# KiCad board SparkFun_GNSS_mosaic-T_panelized.kicad_pcb (continued)
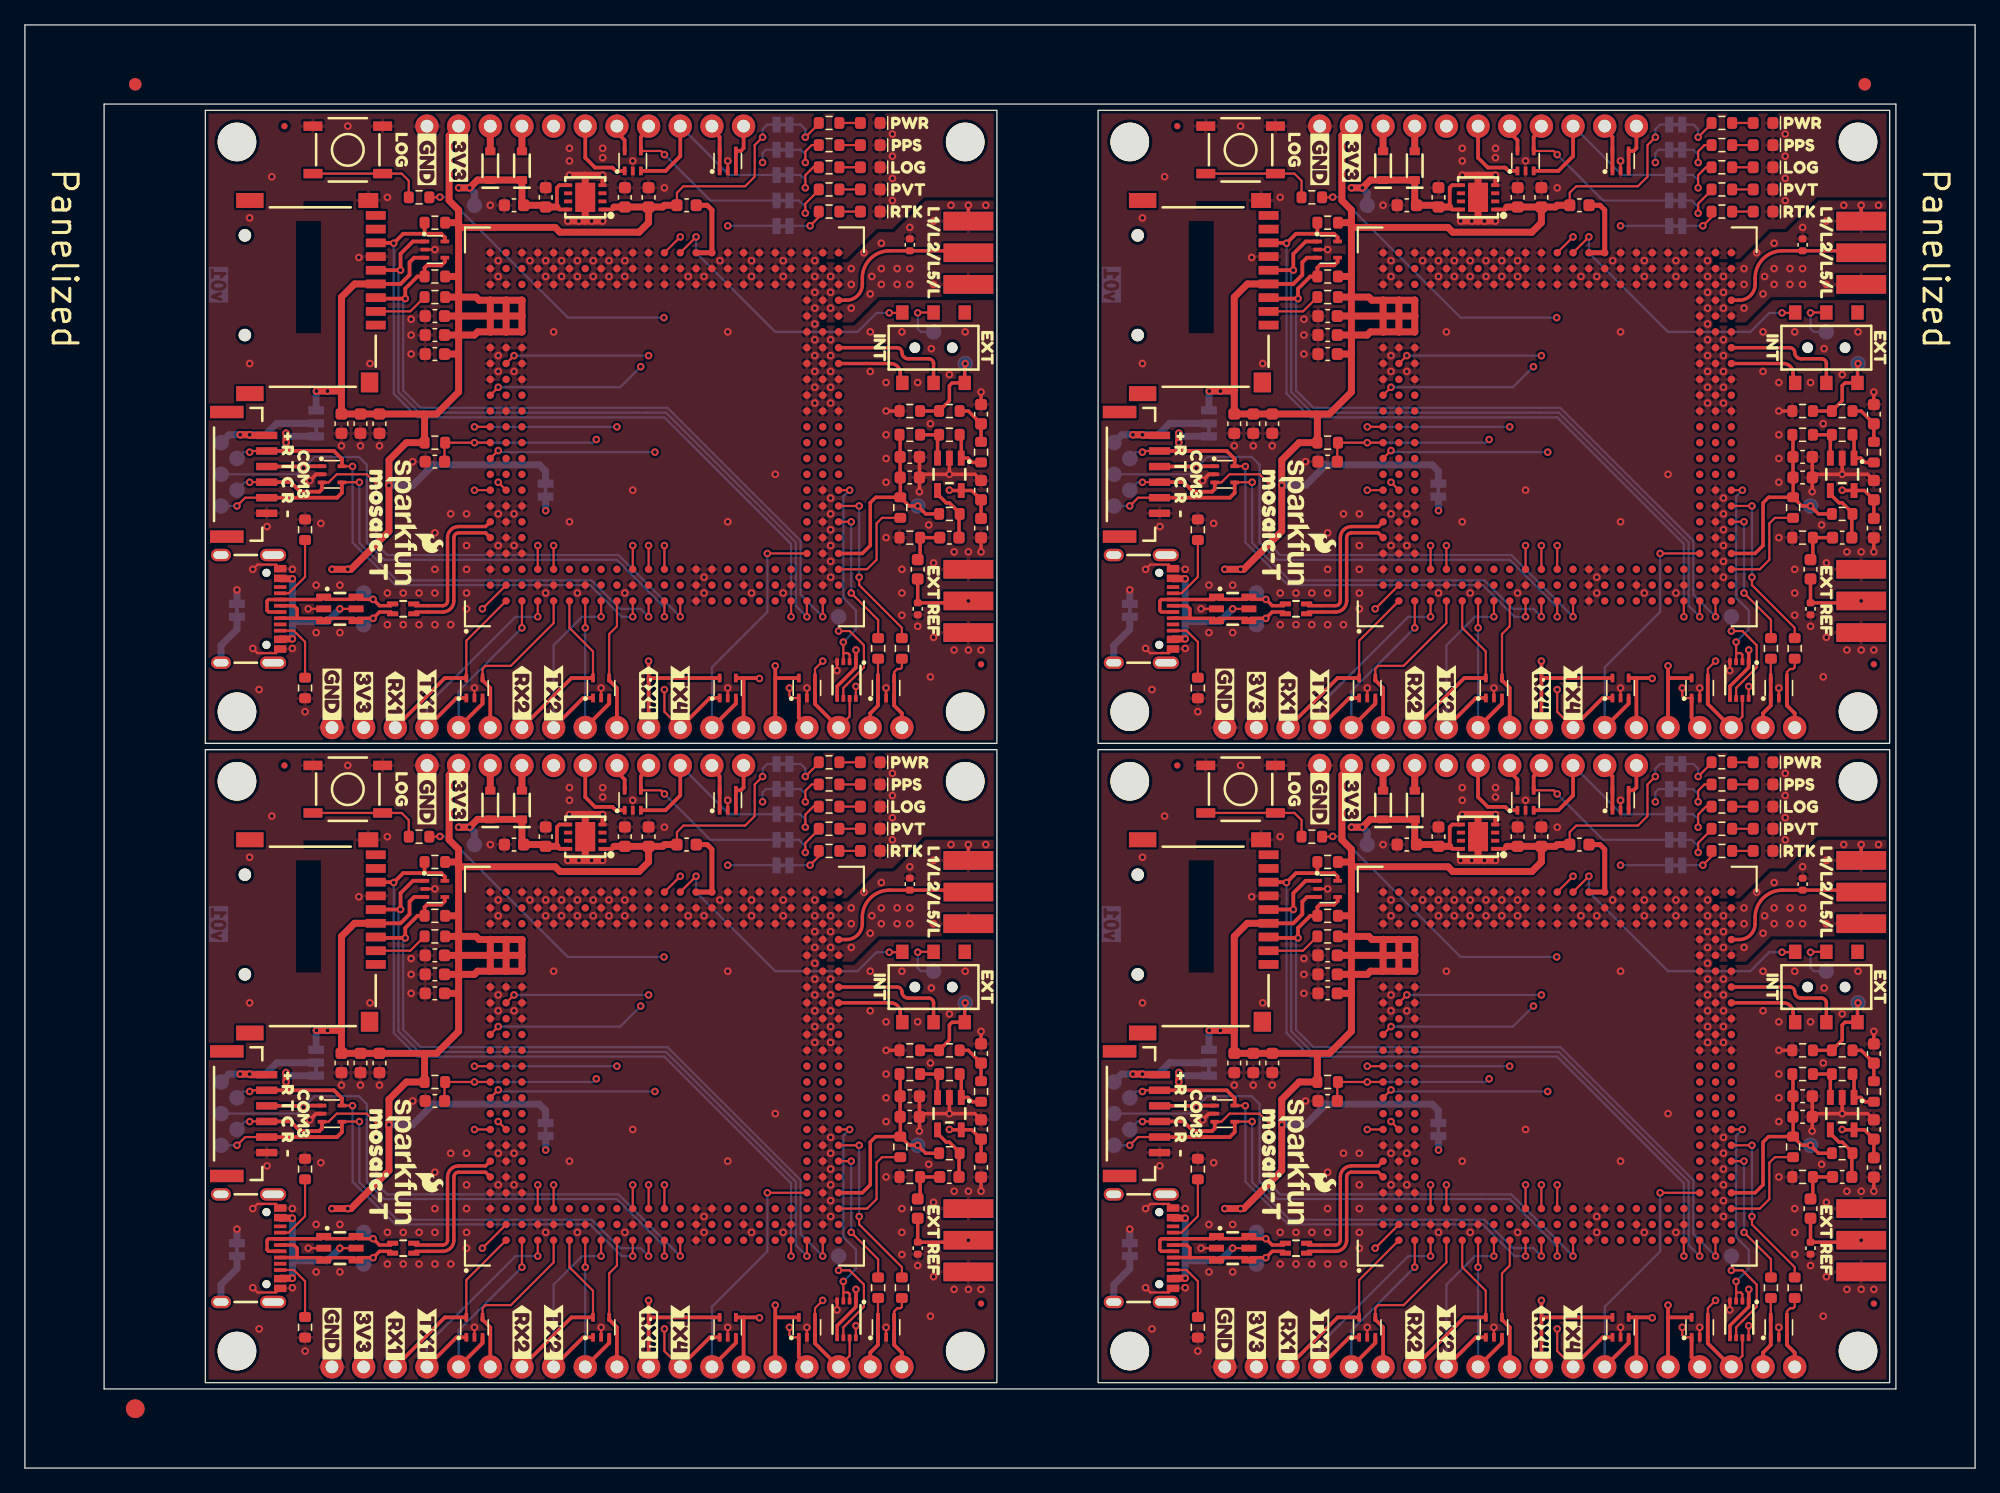
[diagram p0: board, top side]
## Nets (continued)
SD_CLK: D1.1 D1#2.1 D1#3.1 D1#4.1 J1.5 J1#2.5 J1#3.5 J1#4.5 U1.AA1 U1#2.AA1 U1#3.AA1 U1#4.AA1
SD_CMD: D1.4 D1#2.4 D1#3.4 D1#4.4 J1.3 J1#2.3 J1#3.3 J1#4.3 R2.1 R2#2.1 R2#3.1 R2#4.1 U1.AB1 U1#2.AB1 U1#3.AB1 U1#4.AB1
SD_DATA: D1.5 D1#2.5 D1#3.5 D1#4.5 J1.7 J1#2.7 J1#3.7 J1#4.7 R1.1 R1#2.1 R1#3.1 R1#4.1 U1.Y1 U1#2.Y1 U1#3.Y1 U1#4.Y1
TX1: D13.1 D13#2.1 D13#3.1 D13#4.1 J4.4 J4#2.4 J4#3.4 J4#4.4 U1.D1 U1#2.D1 U1#3.D1 U1#4.D1
TX2: D12.1 D12#2.1 D12#3.1 D12#4.1 J4.8 J4#2.8 J4#3.8 J4#4.8 U1.H1 U1#2.H1 U1#3.H1 U1#4.H1
TX3: D14.1 D14#2.1 D14#3.1 D14#4.1 J5.3 J5#2.3 J5#3.3 J5#4.3 TP6.1 TP6#2.1 TP6#3.1 TP6#4.1 U1.M1 U1#2.M1 U1#3.M1 U1#4.M1
TX4: D11.1 D11#2.1 D11#3.1 D11#4.1 J4.12 J4#2.12 J4#3.12 J4#4.12 U1.E3 U1#2.E3 U1#3.E3 U1#4.E3
VANT: L1.2 L1#2.2 L1#3.2 L1#4.2 U1.P23 U1.R23 U1#2.P23 U1#2.R23 U1#3.P23 U1#3.R23 U1#4.P23 U1#4.R23
VUSB: D17.5 D17#2.5 D17#3.5 D17#4.5 D18.2 D18#2.2 D18#3.2 D18#4.2 J3.4 J3#2.4 J3#3.4 J3#4.4 J7.VBUS J7#2.VBUS J7#3.VBUS J7#4.VBUS U1.A8 U1#2.A8 U1#3.A8 U1#4.A8
~{RESET}: C3.1 C3#2.1 C3#3.1 C3#4.1 D7.1 D7#2.1 D7#3.1 D7#4.1 J3.6 J3#2.6 J3#3.6 J3#4.6 R3.1 R3#2.1 R3#3.1 R3#4.1 U1.A11 U1#2.A11 U1#3.A11 U1#4.A11
Net-(C10-Pad2): C10.2 C10#2.2 C10#3.2 C10#4.2 C11.1 C11#2.1 C11#3.1 C11#4.1 R14.2 R14#2.2 R14#3.2 R14#4.2
Net-(C14-Pad1): C14.1 C14#2.1 C14#3.1 C14#4.1 R20.2 R20#2.2 R20#3.2 R20#4.2 R21.1 R21#2.1 R21#3.1 R21#4.1
Net-(D2-A): D2.2 D2#2.2 D2#3.2 D2#4.2 R6.1 R6#2.1 R6#3.1 R6#4.1
Net-(D3-A): D3.2 D3#2.2 D3#3.2 D3#4.2 R7.1 R7#2.1 R7#3.1 R7#4.1
Net-(D4-A): D4.2 D4#2.2 D4#3.2 D4#4.2 R10.1 R10#2.1 R10#3.1 R10#4.1
Net-(D5-A): D5.2 D5#2.2 D5#3.2 D5#4.2 R11.1 R11#2.1 R11#3.1 R11#4.1
Net-(D6-A): D6.2 D6#2.2 D6#3.2 D6#4.2 R12.1 R12#2.1 R12#3.1 R12#4.1
Net-(D16-A2): C10.1 C10#2.1 C10#3.1 C10#4.1 D16.2 D16#2.2 D16#3.2 D16#4.2 J6.1 J6#2.1 J6#3.1 J6#4.1 TP8.1 TP8#2.1 TP8#3.1 TP8#4.1
Net-(D17-I/O1): D17.1 D17.6 D17#2.1 D17#2.6 D17#3.1 D17#3.6 D17#4.1 D17#4.6 J7.A7 J7.B7 J7#2.A7 J7#2.B7 J7#3.A7 J7#3.B7 J7#4.A7 J7#4.B7 TP12.1 TP12#2.1 TP12#3.1 TP12#4.1 TR1.1 TR1#2.1 TR1#3.1 TR1#4.1
Net-(D17-I/O2): D17.3 D17.4 D17#2.3 D17#2.4 D17#3.3 D17#3.4 D17#4.3 D17#4.4 J7.A6 J7.B6 J7#2.A6 J7#2.B6 J7#3.A6 J7#3.B6 J7#4.A6 J7#4.B6 TP9.1 TP9#2.1 TP9#3.1 TP9#4.1 TR1.3 TR1#2.3 TR1#3.3 TR1#4.3
Net-(J1-DAT3/CD): J1.2 J1#2.2 J1#3.2 J1#4.2 R4.1 R4#2.1 R4#3.1 R4#4.1
Net-(J5-Pin_1): J5.1 J5#2.1 J5#3.1 J5#4.1 TP13.1 TP13#2.1 TP13#3.1 TP13#4.1 VOUT1.2 VOUT1#2.2 VOUT1#3.2 VOUT1#4.2
Net-(J7-CC1): J7.A5 J7#2.A5 J7#3.A5 J7#4.A5 R18.2 R18#2.2 R18#3.2 R18#4.2
Net-(J7-CC2): J7.B5 J7#2.B5 J7#3.B5 J7#4.B5 R17.2 R17#2.2 R17#3.2 R17#4.2
Net-(J7-SHIELD): J7.S J7#2.S J7#3.S J7#4.S SHLD1.2 SHLD1#2.2 SHLD1#3.2 SHLD1#4.2
Net-(LOG1-A): LOG1.1 LOG1#2.1 LOG1#3.1 LOG1#4.1 R10.2 R10#2.2 R10#3.2 R10#4.2
Net-(PPS1-A): PPS1.1 PPS1#2.1 PPS1#3.1 PPS1#4.1 R12.2 R12#2.2 R12#3.2 R12#4.2
Net-(PVT1-A): PVT1.1 PVT1#2.1 PVT1#3.1 PVT1#4.1 R7.2 R7#2.2 R7#3.2 R7#4.2
Net-(PWR1-A): PWR1.1 PWR1#2.1 PWR1#3.1 PWR1#4.1 R6.2 R6#2.2 R6#3.2 R6#4.2
Net-(R13-Pad1): R13.1 R13#2.1 R13#3.1 R13#4.1 SW2.2 SW2#2.2 SW2#3.2 SW2#4.2
Net-(R19-Pad2): R19.2 R19#2.2 R19#3.2 R19#4.2 R20.1 R20#2.1 R20#3.1 R20#4.1 U3.1 U3#2.1 U3#3.1 U3#4.1
Net-(RTK1-A): R11.2 R11#2.2 R11#3.2 R11#4.2 RTK1.1 RTK1#2.1 RTK1#3.1 RTK1#4.1
Net-(U1-EVENTA): R8.1 R8#2.1 R8#3.1 R8#4.1 U1.AC6 U1#2.AC6 U1#3.AC6 U1#4.AC6
Net-(U1-EVENTB): R9.1 R9#2.1 R9#3.1 R9#4.1 U1.AC7 U1#2.AC7 U1#3.AC7 U1#4.AC7
Net-(U1-SYNC): R5.2 R5#2.2 R5#3.2 R5#4.2 U1.AC3 U1#2.AC3 U1#3.AC3 U1#4.AC3
Net-(U2-2B): TP3.1 TP3#2.1 TP3#3.1 TP3#4.1 U2.6 U2#2.6 U2#3.6 U2#4.6
Net-(U3-+): R15.1 R15#2.1 R15#3.1 R15#4.1 R19.1 R19#2.1 R19#3.1 R19#4.1 U3.3 U3#2.3 U3#3.3 U3#4.3
Net-(U3--): C11.2 C11#2.2 C11#3.2 C11#4.2 R16.1 R16#2.1 R16#3.1 R16#4.1 U3.4 U3#2.4 U3#3.4 U3#4.4

Pads without a net: J1 1 8 9 11 12 13; J1#2 1 8 9 11 12 13; J1#3 1 8 9 11 12 13; J1#4 1 8 9 11 12 13; J5 NC1 NC2; J5#2 NC1 NC2; J5#3 NC1 NC2; J5#4 NC1 NC2; J7 A8 B8 NC1 NC2 NC3; J7#2 A8 B8 NC1 NC2 NC3; J7#3 A8 B8 NC1 NC2 NC3; J7#4 A8 B8 NC1 NC2 NC3; SW1 4; SW1#2 4; SW1#3 4; SW1#4 4; U1 A2 A9 A13 AA2 AA3 AA5 AA6 AA7 AA8 AA9 AA10 AA11 AA12 AB9 AB10 AB11 AB12 AC1 AC2 AC5 AC9 AC10 AC11 AC12 AC14 B3 B9 B10 B11 B12 B14 B15 B22 B23 C2 C3 C5 C6 C8 C9 C10 C11 C12 C13 C14 C21 C22 F2 F3 G3 G22 H2 H3 J2 J3 L2 M2 N2 N3 R1 R2 T1 T2 T3 U1 U3 V1 V2 V3 W1 W2 W3 Y3; U1#2 A2 A9 A13 AA2 AA3 AA5 AA6 AA7 AA8 AA9 AA10 AA11 AA12 AB9 AB10 AB11 AB12 AC1 AC2 AC5 AC9 AC10 AC11 AC12 AC14 B3 B9 B10 B11 B12 B14 B15 B22 B23 C2 C3 C5 C6 C8 C9 C10 C11 C12 C13 C14 C21 C22 F2 F3 G3 G22 H2 H3 J2 J3 L2 M2 N2 N3 R1 R2 T1 T2 T3 U1 U3 V1 V2 V3 W1 W2 W3 Y3; U1#3 A2 A9 A13 AA2 AA3 AA5 AA6 AA7 AA8 AA9 AA10 AA11 AA12 AB9 AB10 AB11 AB12 AC1 AC2 AC5 AC9 AC10 AC11 AC12 AC14 B3 B9 B10 B11 B12 B14 B15 B22 B23 C2 C3 C5 C6 C8 C9 C10 C11 C12 C13 C14 C21 C22 F2 F3 G3 G22 H2 H3 J2 J3 L2 M2 N2 N3 R1 R2 T1 T2 T3 U1 U3 V1 V2 V3 W1 W2 W3 Y3; U1#4 A2 A9 A13 AA2 AA3 AA5 AA6 AA7 AA8 AA9 AA10 AA11 AA12 AB9 AB10 AB11 AB12 AC1 AC2 AC5 AC9 AC10 AC11 AC12 AC14 B3 B9 B10 B11 B12 B14 B15 B22 B23 C2 C3 C5 C6 C8 C9 C10 C11 C12 C13 C14 C21 C22 F2 F3 G3 G22 H2 H3 J2 J3 L2 M2 N2 N3 R1 R2 T1 T2 T3 U1 U3 V1 V2 V3 W1 W2 W3 Y3; U4 2 3 6 7; U4#2 2 3 6 7; U4#3 2 3 6 7; U4#4 2 3 6 7

## Via types
v1: diameter 0.61, hole 0.305, Top to Bottom, 1112 vias

## Routing (per net, layer and track width the routed paths; a pad name or vN(x,y) marks a point on that pad's centre or on a via; arc(x,y) is an arc through that point)
1.8V: length 145.9
  Top w0.282: U1#3.AC4 67.18,73.39 67.81,74.03 67.81,77.45 68.25,77.9 R5#3.1 ; R15.2 70.21,31.56 C2#3.1 C6#4.1 70.22,28.17 R5#4.1 ; R15#3.2 70.21,82.87 C2.1 C6.1 70.22,79.47 R5#3.1 ; R5#3.1 70.92,77.2 v1(71.62,77.2) 72.25,76.56 R16#2.2 ; U1#2.AC4 138.8,22.09 139.43,22.73 139.43,26.15 139.87,26.6 R5#2.1 ; R16#3.2 143.88,25.27 v1(143.24,25.9) 142.54,25.9 R5#2.1 ; R5#4.1 70.92,25.9 v1(71.62,25.9) 72.25,25.27 R16#4.2 ; R5#4.1 68.25,26.6 67.81,26.15 67.81,22.73 67.18,22.09 U1.AC4 ; 136.78,61.75 136.78,62.73 138.28,64.23 U2#3.1 138.29,64.72 v1(138.29,65.64) ; v1(66.67,14.34) 66.67,13.42 U2.1 66.66,12.93 65.16,11.43 65.16,10.45 ; U1#4.AC4 138.8,73.39 139.43,74.03 139.43,77.45 139.87,77.9 R5.1 ; v1(138.29,14.34) 138.29,13.42 U2#4.1 138.28,12.93 136.78,11.43 136.78,10.45 ; R5.1 142.54,77.2 v1(143.24,77.2) 143.88,76.56 R16.2 ; R5.1 141.84,79.47 C6#2.1 C2#4.1 141.83,82.87 R15#2.2 ; v1(66.67,65.64) 66.67,64.72 U2#2.1 66.66,64.23 65.16,62.73 65.16,61.75 ; R5#2.1 141.84,28.17 C6#3.1 C2#2.1 141.83,31.56 R15#4.2
  L3.Cu w0.282: v1(143.24,25.9) 141.84,25.9 139.68,23.74 139.68,15.74 v1(138.29,14.34) ; v1(71.62,77.2) 70.22,77.2 68.06,75.04 68.06,67.04 v1(66.67,65.64) ; v1(71.62,25.9) 70.22,25.9 68.06,23.74 68.06,15.74 v1(66.67,14.34) ; v1(138.29,65.64) 139.68,67.04 139.68,75.04 141.84,77.2 v1(143.24,77.2)
2V8_IN: length 114.2
  Top w0.178: v1(143.24,41.39) 143.27,41.42 SW1#4.5 ; v1(124.19,47.49) U1#2.M23 ; SW1#3.5 71.65,41.42 v1(71.62,41.39) ; v1(124.19,98.79) U1#4.M23 ; v1(52.57,98.79) U1#3.M23 ; v1(71.62,92.69) 71.65,92.72 SW1#2.5 ; SW1.5 143.27,92.72 v1(143.24,92.69) ; v1(52.57,47.49) U1.M23
  L3.Cu w0.178: v1(124.19,98.79) 131.81,91.17 138.41,91.17 139.39,92.15 141.55,92.15 142.1,92.69 v1(143.24,92.69) ; v1(52.57,98.79) 60.19,91.17 66.79,91.17 67.77,92.15 69.93,92.15 70.48,92.69 v1(71.62,92.69) ; v1(71.62,41.39) 70.48,41.39 69.93,40.85 67.77,40.85 66.79,39.87 60.19,39.87 v1(52.57,47.49) ; v1(124.19,47.49) 131.81,39.87 138.41,39.87 139.39,40.85 141.55,40.85 142.1,41.39 v1(143.24,41.39)
  Bottom w0.178: v1(143.24,41.39) 143.24,40.12 143.49,39.87 TP2#4.1 ; v1(71.62,41.39) 71.62,40.12 71.87,39.87 TP2.1 ; v1(71.62,92.69) 71.62,91.42 71.87,91.17 TP2#2.1 ; v1(143.24,92.69) 143.24,91.42 143.49,91.17 TP2#3.1
2V8_OUT: length 91.6
  Top w0.178: SW1#3.6 70.36,41.39 v1(69.33,41.39) ; U1#3.N23 v1(53.84,98.79) ; SW1#4.6 141.98,41.39 v1(140.95,41.39) ; U1#2.N23 v1(125.46,47.49) ; SW1.6 141.98,92.69 v1(140.95,92.69) ; SW1#2.6 70.36,92.69 v1(69.33,92.69) ; U1.N23 v1(53.84,47.49) ; U1#4.N23 v1(125.46,98.79)
  Bottom w0.178: v1(69.33,92.69) 68.32,92.69 66.79,91.17 60.19,91.17 53.84,97.52 v1(53.84,98.79) ; v1(140.95,41.39) 139.94,41.39 138.41,39.87 131.81,39.87 125.46,46.22 v1(125.46,47.49) ; v1(125.46,98.79) 125.46,97.52 131.81,91.17 138.41,91.17 139.94,92.69 v1(140.95,92.69) ; v1(69.33,41.39) 68.32,41.39 66.79,39.87 60.19,39.87 53.84,46.22 v1(53.84,47.49)
3.3V: length 931.8
  Top w0.178: 66.66,10.45 66.66,11.41 v1(66.67,11.42) ; L1#3.1 123.92,102.33 124.44,102.85 129.4,102.85 130.16,103.62 130.16,106.16 v1(130.79,106.79) ; v1(59.17,106.79) 58.54,106.16 58.54,103.62 57.78,102.85 52.82,102.85 52.3,102.33 L1#2.1 ; v1(59.17,55.49) 58.54,54.86 58.54,52.32 57.78,51.55 52.82,51.55 52.3,51.03 L1.1 ; v1(130.79,55.49) 130.16,54.86 130.16,52.32 129.4,51.55 124.44,51.55 123.92,51.03 L1#4.1 ; v1(66.67,62.72) 66.66,62.71 66.66,61.75 ; 138.28,61.75 138.28,62.71 v1(138.29,62.72) ; 138.28,10.45 138.28,11.41 v1(138.29,11.42)
  Top w0.282: C13.1 C12#2.1 147.58,78.44 U3#3.5 145.81,78.44 v1(145.78,78.47) ; C13#4.1 C12#4.1 75.96,27.14 U3#2.5 74.19,27.14 v1(74.16,27.17) ; v1(74.16,78.47) 74.19,78.44 U3.5 75.96,78.44 C12#3.1 C13#2.1 ; C13#3.1 C12.1 147.58,27.14 U3#4.5 145.81,27.14 v1(145.78,27.17)
  Top w0.305: D1#4.3 102.84,45.82 102.47,45.46 102.47,44.44 101.75,43.71 J1#4.4 ; 47.25,49.89 47.15,49.79 47.15,49.69 U4#4.1 ; U4#3.1 118.77,49.69 118.77,49.79 118.87,49.89 ; D1#2.3 31.22,97.12 30.85,96.76 30.85,95.74 30.12,95.01 J1.4 ; 118.87,101.19 118.77,101.09 118.77,100.99 U4#2.1 ; D1.3 31.22,45.82 30.85,45.46 30.85,44.44 30.12,43.71 J1#3.4 ; 47.25,101.19 47.15,101.09 47.15,100.99 U4.1 ; D1#3.3 102.84,97.12 102.47,96.76 102.47,95.74 101.75,95.01 J1#2.4
  Top w0.559: J1#3.4 26.44,43.71 25.39,42.66 25.39,35.17 ; J3#3.2 105.65,106.92 105.65,101.71 106.41,100.95 106.41,99.93 ; C4#3.1 34.79,89.39 ; 34.79,89.39 34.79,86.34 33.03,84.58 32,84.58 ; 34.79,89.39 34.79,90.92 ; 106.41,90.92 106.41,89.39 ; 106.41,90.92 107.68,90.92 107.93,91.17 U1#4.A18 ; 106.41,90.92 C5.1 ; 106.41,90.92 106.41,92.44 ; 106.41,89.39 106.41,86.34 104.65,84.58 103.62,84.58 ; 106.41,89.39 C4#4.1 ; 34.79,99.93 34.79,100.95 34.03,101.71 34.03,106.92 J3#4.2 ; 34.79,99.93 34.79,95.62 ; 34.79,99.93 R1#4.2 ; 34.79,99.93 34.79,99.55 42.54,99.55 42.92,99.17 49.27,99.17 50.03,99.93 C17#2.1 ; U1#3.C19 U1#3.B19 ; U1#3.C19 U1#3.C20 U1#3.B20 ; U1#3.C19 U1#3.C18 U1#3.B18 ; U1#3.B19 U1#3.A19 ; U1#3.B19 U1#3.B20 ; U1#3.B19 U1#3.B18 ; U1#3.B20 U1#3.A20 ; v1(96.25,72.12) v1(97.52,72.12) 97.77,72.12 100.82,75.17 v1(100.82,78.85) 100.82,80.88 102.22,82.28 R3.2 103.68,84.52 103.62,84.58 ; R4#3.2 34.79,93.96 ; 34.79,93.96 34.79,95.62 ; 34.79,93.96 34.79,92.44 ; 34.79,93.96 36.19,93.96 36.44,93.71 U1#3.A20 ; U1.C19 U1.C18 U1.B18 ; U1.C19 U1.B19 ; U1.C19 U1.C20 U1.B20 ; 103.62,33.28 103.68,33.22 R3#2.2 102.22,30.98 100.82,29.58 v1(100.82,27.55) 100.82,23.87 97.77,20.82 v1(97.52,20.82) v1(96.25,20.82) ; 103.62,33.28 104.65,33.28 106.41,35.04 106.41,38.09 ; 103.62,33.28 97.01,33.28 97.01,35.17 ; U1#3.B18 U1#3.A18 ; U1#3.A18 U1#3.A19 ; U1#3.A18 36.31,91.17 36.06,90.92 34.79,90.92 ; 47.25,101.19 C18#2.1 C17#2.1 ; C17#2.1 51.16,101.19 51.3,101.33 L1#2.1 ; U1.B19 U1.B20 ; U1.B19 U1.B18 ; U1.B19 U1.A19 ; U1.B20 U1.A20 ; U1.B18 U1.A18 ; U1.A18 36.31,39.87 36.06,39.62 34.79,39.62 ; U1.A18 U1.A19 ; U1#2.C19 U1#2.C20 U1#2.B20 ; U1#2.C19 U1#2.B19 ; U1#2.C19 U1#2.C18 U1#2.B18 ; C1#2.1 34.79,41.14 ; 34.79,41.14 34.79,42.66 ; 34.79,41.14 34.79,39.62 ; 34.79,41.14 U1.A19 ; R2#3.2 34.79,95.62 ; 106.41,48.63 106.41,48.25 114.16,48.25 114.54,47.87 120.89,47.87 121.65,48.63 C17#4.1 ; 106.41,48.63 R1.2 ; 106.41,48.63 106.41,44.31 ; 106.41,48.63 106.41,49.65 105.65,50.41 105.65,55.62 J3#2.2 ; 34.79,39.62 C5#4.1 ; 34.79,39.62 34.79,38.09 ; U1#4.B18 U1#4.C18 U1#4.C19 ; U1#4.B18 U1#4.B19 ; U1#4.B18 U1#4.A18 ; U1#3.A19 34.79,92.44 ; U1#3.A19 U1#3.A20 ; 106.41,99.93 R1#3.2 ; 106.41,99.93 106.41,99.55 114.16,99.55 114.54,99.17 120.89,99.17 121.65,99.93 C17#3.1 ; 106.41,99.93 106.41,95.62 ; U1.A20 U1.A19 ; U1.A20 36.44,42.41 36.19,42.66 34.79,42.66 ; U1#4.B19 U1#4.B20 ; U1#4.B19 U1#4.A19 ; U1#4.B19 U1#4.C19 ; 106.41,95.62 106.41,93.96 ; 106.41,95.62 R2#2.2 ; 106.41,93.96 106.41,92.44 ; 106.41,93.96 107.81,93.96 108.06,93.71 U1#4.A20 ; 106.41,93.96 R4#2.2 ; C17.1 51.16,49.89 51.3,50.03 L1.1 ; C17.1 50.03,48.63 49.27,47.87 42.92,47.87 42.54,48.25 34.79,48.25 34.79,48.63 ; C17.1 C18#4.1 47.25,49.89 ; J1#2.4 98.06,95.01 97.01,93.96 97.01,86.47 ; U1#4.A20 U1#4.A19 ; U1#4.A20 U1#4.B20 ; U1#4.A19 106.41,92.44 ; U1#4.A19 U1#4.A18 ; 106.41,92.44 C1#3.1 ; U1#2.B19 U1#2.A19 ; U1#2.B19 U1#2.B18 ; U1#2.B19 U1#2.B20 ; U1#2.A19 U1#2.A20 ; U1#2.A19 106.41,41.14 ; U1#2.A19 U1#2.A18 ; U1#4.B20 U1#4.C20 U1#4.C19 ; 34.79,92.44 34.79,90.92 ; 34.79,92.44 C1#4.1 ; C5#2.1 34.79,90.92 ; 103.62,84.58 C7.1 C9#3.1 C8#4.1 97.01,86.47 ; v1(23.39,35.12) v1(24.27,35.12) 25.34,35.12 25.39,35.17 ; C4#2.1 34.79,38.09 ; 34.79,38.09 34.79,35.04 33.03,33.28 32,33.28 ; R4#4.2 106.41,42.66 ; 106.41,42.66 107.81,42.66 108.06,42.41 U1#2.A20 ; 106.41,42.66 106.41,41.14 ; 106.41,42.66 106.41,44.31 ; 106.41,44.31 R2.2 ; 97.01,86.47 96.96,86.42 v1(95.89,86.42) v1(95.01,86.42) ; 32,33.28 25.39,33.28 25.39,35.17 ; 32,33.28 32.06,33.22 R3#4.2 30.6,30.98 29.2,29.58 v1(29.2,27.55) 29.2,23.87 26.15,20.82 v1(25.9,20.82) v1(24.63,20.82) ; C17#3.1 C18.1 118.87,101.19 ; C17#3.1 122.78,101.19 122.92,101.33 L1#3.1 ; 25.39,86.47 25.34,86.42 v1(24.27,86.42) v1(23.39,86.42) ; 25.39,86.47 25.39,93.96 26.44,95.01 J1.4 ; 25.39,86.47 C8.1 C9#4.1 C7#4.1 32,84.58 ; 106.41,41.14 106.41,39.62 ; 106.41,41.14 C1.1 ; 106.41,39.62 107.68,39.62 107.93,39.87 U1#2.A18 ; 106.41,39.62 106.41,38.09 ; 106.41,39.62 C5#3.1 ; R2#4.2 34.79,44.31 ; 34.79,44.31 34.79,48.63 ; 34.79,44.31 34.79,42.66 ; U1#2.B18 U1#2.A18 ; R4.2 34.79,42.66 ; 106.41,38.09 C4.1 ; v1(95.01,35.12) v1(95.89,35.12) 96.96,35.12 97.01,35.17 ; 34.79,48.63 34.79,49.65 34.03,50.41 34.03,55.62 J3.2 ; 34.79,48.63 R1#2.2 ; 32,84.58 32.06,84.52 R3#3.2 30.6,82.28 29.2,80.88 v1(29.2,78.85) 29.2,75.17 26.15,72.12 v1(25.9,72.12) v1(24.63,72.12) ; C17#4.1 122.78,49.89 122.92,50.03 L1#4.1 ; C17#4.1 C18#3.1 118.87,49.89 ; 97.01,35.17 97.01,42.66 98.06,43.71 J1#4.4 ; U1#2.B20 U1#2.A20
  L3.Cu w0.559: v1(145.78,27.17) 140.7,22.09 140.7,13.84 v1(138.29,11.42) 136.89,10.03 100.69,10.03 J4#2.2 96,10.91 96,20.57 v1(96.25,20.82) v1(97.52,20.82) ; v1(25.9,20.82) v1(24.63,20.82) 24.38,20.57 24.38,10.91 J4.2 29.08,10.03 65.27,10.03 v1(66.67,11.42) 69.08,13.84 69.08,22.09 v1(74.16,27.17) ; v1(145.78,78.47) 140.7,73.39 140.7,65.14 v1(138.29,62.72) 136.89,61.33 100.69,61.33 J4#4.2 96,62.21 96,71.87 v1(96.25,72.12) v1(97.52,72.12) ; v1(74.16,78.47) 69.08,73.39 69.08,65.14 v1(66.67,62.72) 65.27,61.33 29.08,61.33 J4#3.2 24.38,62.21 24.38,71.87 v1(24.63,72.12) v1(25.9,72.12)
  Bottom w0.178: v1(130.79,55.49) 130.79,56.13 131.17,56.5 PWR1#3.2 ; v1(59.17,106.79) 59.17,107.43 59.55,107.8 PWR1#4.2 ; v1(130.79,106.79) 130.79,107.43 131.17,107.8 PWR1#2.2 ; PWR1.2 59.55,56.5 59.17,56.13 v1(59.17,55.49)
  Bottom w0.559: v1(95.89,86.42) v1(95.01,86.42) 94.98,86.39 VOUT1#3.3 ; v1(29.2,78.85) 31.11,78.85 32.76,80.5 41.27,80.5 41.76,80.01 VBATT1#2.1 ; VBATT1#3.1 113.38,80.01 112.89,80.5 104.38,80.5 102.73,78.85 v1(100.82,78.85) ; VOUT1.3 23.36,86.39 v1(23.39,86.42) v1(24.27,86.42) ; v1(100.82,27.55) 102.73,27.55 104.38,29.2 112.89,29.2 113.38,28.71 VBATT1#4.1 ; VOUT1#4.3 23.36,35.09 v1(23.39,35.12) v1(24.27,35.12) ; v1(29.2,27.55) 31.11,27.55 32.76,29.2 41.27,29.2 41.76,28.71 VBATT1.1 ; v1(95.89,35.12) v1(95.01,35.12) 94.98,35.09 VOUT1#2.3
5V: length 219.3
  Top w0.305: U4#4.5 42.88,51.64 42.68,51.44 42.68,49.89 42.88,49.69 U4#4.8 ; U4#2.8 114.5,100.99 114.3,101.19 114.3,102.74 114.5,102.94 U4#2.5 ; U4.5 42.88,102.94 42.68,102.74 42.68,101.19 42.88,100.99 U4.8 ; U4#3.5 114.5,51.64 114.3,51.44 114.3,49.89 114.5,49.69 U4#3.8
  Top w0.559: v1(106.41,51.43) v1(107.3,51.43) 107.93,52.06 D19.1 D18#3.1 111.49,50.17 C15#4.1 113.25,50.03 C16#2.1 114.3,49.89 ; v1(106.41,102.73) v1(107.3,102.73) 107.93,103.36 D19#4.1 D18#2.1 111.49,101.47 C15.1 113.25,101.33 C16.1 114.3,101.19 ; 42.68,49.89 C16#4.1 41.64,50.03 C15#3.1 39.87,50.17 D18#4.1 D19#2.1 36.31,52.06 v1(35.68,51.43) v1(34.79,51.43) ; v1(92.57,30.98) v1(92.57,31.74) ; v1(20.95,82.28) v1(20.95,83.04) ; v1(20.95,30.98) v1(20.95,31.74) ; 42.68,101.19 C16#3.1 41.64,101.33 C15#2.1 39.87,101.47 D18.1 D19#3.1 36.31,103.36 v1(35.68,102.73) v1(34.79,102.73) ; v1(92.57,82.28) v1(92.57,83.04)
  L3.Cu w0.559: v1(35.68,51.43) v1(34.79,51.43) 34.28,51.94 22.85,51.94 20.95,50.03 v1(20.95,31.74) v1(20.95,30.98) ; v1(20.95,82.28) v1(20.95,83.04) 20.95,101.33 22.85,103.23 34.28,103.23 v1(34.79,102.73) v1(35.68,102.73) ; v1(107.3,51.43) v1(106.41,51.43) 105.9,51.94 94.47,51.94 92.57,50.03 v1(92.57,31.74) v1(92.57,30.98) ; v1(92.57,82.28) v1(92.57,83.04) 92.57,101.33 94.47,103.23 105.9,103.23 v1(106.41,102.73) v1(107.3,102.73)
  Bottom w0.559: v1(34.79,51.43) v1(35.68,51.43) 36.06,51.05 TP11.1 ; 92.57,31.49 v1(92.57,31.74) ; 92.57,31.49 VOUT1#2.1 ; 92.57,31.49 v1(92.57,30.98) ; 92.57,82.79 v1(92.57,83.04) ; 92.57,82.79 VOUT1#3.1 ; 92.57,82.79 v1(92.57,82.28) ; v1(20.95,82.28) 20.95,82.79 ; 20.95,82.79 VOUT1.1 ; 20.95,82.79 v1(20.95,83.04) ; v1(106.41,51.43) v1(107.3,51.43) 107.68,51.05 TP11#4.1 ; v1(34.79,102.73) v1(35.68,102.73) 36.06,102.35 TP11#3.1 ; 20.95,31.49 v1(20.95,31.74) ; 20.95,31.49 v1(20.95,30.98) ; 20.95,31.49 VOUT1#4.1 ; TP11#2.1 107.68,102.35 v1(107.3,102.73) v1(106.41,102.73)
GND: length 154.6
  Top w0.178: D15.2 v1(140.7,62.59) ; U2.4 65.16,12.7 v1(65.14,12.69) ; J7.GND 20.15,72.5 18.66,72.5 v1(18.28,72.12) ; D1#2.2 v1(32.89,97.77) ; D11#3.2 v1(56.38,11.3) ; v1(136.76,63.99) 136.78,64 U2#3.4 ; U2#4.4 136.78,12.7 v1(136.76,12.69) ; v1(89.9,72.12) 90.28,72.5 91.77,72.5 J7#4.GND ; v1(18.28,20.82) 18.66,21.2 20.15,21.2 J7#3.GND ; D11#2.2 v1(128,11.3) ; D8#3.2 v1(128,104.89) ; D17#4.2 v1(22.73,68.94) ; D12#2.2 v1(46.22,62.59) ; D10#3.2 v1(134.35,11.3) ; D10.2 v1(62.73,11.3) ; D1#3.2 v1(104.5,97.77) ; v1(89.9,14.47) 90.28,14.09 91.77,14.09 J7#2.GND ; U2#2.4 65.16,64 v1(65.14,63.99) ; D13.2 v1(36.06,11.3) ; D8#4.2 v1(56.38,53.59) ; D10#2.2 v1(134.35,62.59) ; D17#2.2 v1(94.34,68.94) ; D12#3.2 v1(46.22,11.3) ; J7#3.GND 20.15,14.09 18.66,14.09 v1(18.28,14.47) ; D17#3.2 v1(94.34,17.64) ; v1(18.28,65.77) 18.66,65.39 20.15,65.39 J7.GND ; D15#4.2 v1(140.7,11.3) ; D10#4.2 v1(62.73,62.59) ; D17.2 v1(22.73,17.64) ; D11#4.2 v1(56.38,62.59) ; D8.2 v1(56.38,104.89) ; D13#3.2 v1(36.06,62.59) ; D13#4.2 v1(107.68,62.59) ; D8#2.2 v1(128,53.59) ; D1.2 v1(32.89,46.47) ; v1(89.9,20.82) 90.28,21.2 91.77,21.2 J7#2.GND ; D15#2.2 v1(69.08,62.59) ; J7#4.GND 91.77,65.39 90.28,65.39 v1(89.9,65.77) ; D11.2 v1(128,62.59) ; D13#2.2 v1(107.68,11.3) ; D12.2 v1(117.84,11.3) ; D12#4.2 v1(117.84,62.59) ; D1#4.2 v1(104.5,46.47) ; D15#3.2 v1(69.08,11.3)
  Top w0.282: v1(145.78,79.74) 147.83,79.74 148.32,79.25 ; v1(145.78,79.74) U3#3.2 ; v1(145.78,79.74) 143.63,79.74 C6#2.2 ; R22#3.2 v1(69.08,84.82) ; C6#2.2 C2#4.2 ; C6#2.2 143.38,78.36 v1(143.37,78.34) ; C6#3.2 143.38,27.06 v1(143.37,27.04) ; C6#3.2 143.63,28.44 v1(145.78,28.44) ; C6#3.2 C2#2.2 ; R22.2 v1(140.7,84.82) ; J2#3.2 v1(75.68,50.03) ; C6.2 71.76,78.36 v1(71.75,78.34) ; C6.2 72.01,79.74 v1(74.16,79.74) ; C6.2 C2.2 ; J2#4.2 v1(147.3,50.03) ; C13.2 v1(148.32,73.52) ; 76.7,79.25 76.21,79.74 v1(74.16,79.74) ; C13#3.2 v1(148.32,22.22) ; v1(71.75,27.04) 71.76,27.06 C6#4.2 ; C13#4.2 v1(76.7,22.22) ; C14#2.2 v1(148.32,86.34) ; C13#2.2 v1(76.7,73.52) ; C14#4.2 v1(148.32,35.04) ; U3#2.2 v1(74.16,28.44) ; v1(74.16,28.44) 76.21,28.44 C12#4.2 ; v1(74.16,28.44) 72.01,28.44 C6#4.2 ; C12.2 147.83,28.44 v1(145.78,28.44) ; C2#3.2 C6#4.2 ; C14.2 v1(76.7,86.34) ; J2#2.2 v1(147.3,101.33) ; J2.2 v1(75.68,101.33) ; R22#2.2 v1(69.08,33.52) ; R22#4.2 v1(140.7,33.52) ; U3#4.2 v1(145.78,28.44) ; U3.2 v1(74.16,79.74) ; C14#3.2 v1(76.7,35.04)
  Top w0.305: v1(22.85,79.23) 23.36,79.74 D14#4.2 ; v1(117.97,52.44) 117.94,52.42 U4#3.4 ; D14#3.2 94.98,28.44 v1(94.47,27.93) ; U4#4.4 46.33,52.42 v1(46.35,52.44) ; v1(46.35,103.74) 46.33,103.72 U4.4 ; v1(94.47,79.23) 94.98,79.74 D14.2 ; v1(22.85,27.93) 23.36,28.44 D14#2.2 ; v1(117.97,103.74) 117.94,103.72 U4#2.4
  Top w0.559: 116.57,100.06 v1(116.06,100.06) v1(115.17,100.06) ; 116.57,100.06 U4#2.9 116.57,103.74 ; 116.57,100.06 v1(117.08,100.06) v1(117.97,100.06) ; v1(43.55,100.06) v1(44.44,100.06) 44.95,100.06 ; 44.95,100.06 U4.9 44.95,103.74 ; 44.95,100.06 v1(45.46,100.06) v1(46.35,100.06) ; 116.57,103.74 v1(117.97,103.74) ; 116.57,103.74 v1(115.3,103.74) ; v1(46.35,48.76) v1(45.46,48.76) 44.95,48.76 ; v1(115.3,52.44) 116.57,52.44 ; 116.57,52.44 U4#3.9 116.57,48.76 ; 116.57,52.44 v1(117.97,52.44) ; 44.95,103.74 v1(43.68,103.74) ; 44.95,103.74 v1(46.35,103.74) ; v1(43.55,48.76) v1(44.44,48.76) 44.95,48.76 ; 116.57,48.76 v1(116.06,48.76) v1(115.17,48.76) ; 116.57,48.76 v1(117.08,48.76) v1(117.97,48.76) ; 44.95,52.44 v1(46.35,52.44) ; 44.95,52.44 v1(43.68,52.44) ; 44.95,52.44 U4#4.9 44.95,48.76
  Bottom w0.559: SHLD1.1 v1(88.63,19.17) ; SHLD1#4.1 v1(17.01,70.47) ; SHLD1#3.1 v1(88.63,70.47) ; SHLD1#2.1 v1(17.01,19.17)
  vias: v1(18.03,100.31) v1(18.03,88.63) v1(18.03,49.01) v1(18.03,37.33) v1(18.79,62.47) v1(18.79,11.17) v1(19.42,75.55) v1(19.42,24.25) v1(19.8,103.62) v1(19.8,52.32) v1(21.46,72.12) v1(21.46,65.77) v1(21.46,20.82) v1(21.46,14.47) v1(22.47,60.69) v1(22.47,9.39) v1(23.36,70.85) v1(23.36,67.04) v1(23.36,19.55) v1(23.36,15.74) v1(23.74,75.8) v1(23.74,24.5) v1(25.27,70.85) v1(25.27,67.04) v1(25.27,19.55) v1(25.27,15.74) v1(25.39,82.03) v1(25.39,30.73) v1(25.9,107.68) v1(25.9,56.38) v1(26.79,97.14) v1(26.79,45.84) v1(26.92,82.03) v1(26.92,30.73) v1(27.68,88.63) v1(27.68,37.33) v1(28.44,82.03) v1(28.44,30.73) v1(29.08,101.97) v1(29.08,70.22) v1(29.08,67.68) v1(29.08,50.67) v1(29.08,18.92) v1(29.08,16.38) v1(30.34,70.22) v1(30.34,67.68) v1(30.34,18.92) v1(30.34,16.38) v1(30.98,92.19) v1(30.98,90.92) v1(30.98,89.39) v1(30.98,40.89) v1(30.98,39.62) v1(30.98,38.09) v1(31.11,80.76) v1(31.11,29.46) v1(31.62,70.22) v1(31.62,67.68) v1(31.62,18.92) v1(31.62,16.38) v1(32.89,75.04) v1(32.89,72.12) v1(32.89,70.22) v1(32.89,67.68) v1(32.89,23.74) v1(32.89,20.82) v1(32.89,18.92) v1(32.89,16.38) v1(34.16,76.56) v1(34.16,67.68) v1(34.16,25.27) v1(34.16,16.38) v1(35.43,76.56) v1(35.43,74.03) v1(35.43,72.12) v1(35.43,70.22) v1(35.43,68.94) v1(35.43,25.27) v1(35.43,22.73) v1(35.43,20.82) v1(35.43,18.92) v1(35.43,17.64) v1(37.33,101.33) v1(37.33,50.03) v1(37.97,96.89) v1(37.97,95.62) v1(37.97,89.27) v1(37.97,88) v1(37.97,76.56) v1(37.97,74.03) v1(37.97,45.59) v1(37.97,44.31) v1(37.97,37.97) v1(37.97,36.7) v1(37.97,25.27) v1(37.97,22.73) v1(39.24,88) v1(39.24,76.56) v1(39.24,74.03) v1(39.24,36.7) v1(39.24,25.27) v1(39.24,22.73) v1(40.5,96.89) v1(40.5,45.59) v1(41.78,96.89) v1(41.78,95.62) v1(41.78,70.22) v1(41.78,45.59) v1(41.78,44.31) v1(41.78,18.92) v1(42.41,91.17) v1(42.41,39.87) v1(43.05,96.89) v1(43.05,95.62) v1(43.05,45.59) v1(43.05,44.31) v1(43.68,105.9) v1(43.68,104.89) v1(43.68,75.93) v1(43.68,54.6) v1(43.68,53.59) v1(43.68,24.63) v1(44.31,96.89) v1(44.31,95.62) v1(44.31,70.22) v1(44.31,45.59) v1(44.31,44.31) v1(44.31,18.92) v1(45.59,96.89) v1(45.59,95.62) v1(45.59,45.59) v1(45.59,44.31) v1(46.35,105.9) v1(46.35,105.14) v1(46.35,54.6) v1(46.35,53.84) v1(46.86,96.89) v1(46.86,95.62) v1(46.86,45.59) v1(46.86,44.31) v1(48.12,96.89) v1(48.12,95.62) v1(48.12,70.22) v1(48.12,45.59) v1(48.12,44.31) v1(48.12,18.92) v1(48.76,104.89) v1(48.76,78.47) v1(48.76,53.59) v1(48.76,27.17) v1(51.3,102.73) v1(51.3,51.43) v1(53.21,95.62) v1(53.21,44.31) v1(54.47,95.62) v1(54.47,71.48) v1(54.47,70.22) v1(54.47,44.31) v1(54.47,20.19) v1(54.47,18.92) v1(55.75,96.89) v1(55.75,45.59) v1(56.38,91.17) v1(56.38,75.93) v1(56.38,39.87) v1(56.38,24.63) v1(58.28,96.89) v1(58.28,95.62) v1(58.28,70.22) v1(58.28,45.59) v1(58.28,44.31) v1(58.28,18.92) v1(60.19,79.74) v1(60.19,28.44) v1(60.83,96.89) v1(60.83,95.62) v1(60.83,70.22) v1(60.83,45.59) v1(60.83,44.31) v1(60.83,18.92) v1(63.37,96.89) v1(63.37,95.62) v1(63.37,94.34) v1(63.37,93.08) v1(63.37,91.81) v1(63.37,90.53) v1(63.37,89.27) v1(63.37,88) v1(63.37,86.72) v1(63.37,85.46) v1(63.37,45.59) v1(63.37,44.31) v1(63.37,43.05) v1(63.37,41.78) v1(63.37,40.5) v1(63.37,39.23) v1(63.37,37.97) v1(63.37,36.7) v1(63.37,35.42) v1(63.37,34.16) v1(64.64,95.62) v1(64.64,94.34) v1(64.64,93.08) v1(64.64,90.53) v1(64.64,89.27) v1(64.64,88) v1(64.64,86.72) v1(64.64,85.46) v1(64.64,77.84) v1(64.64,76.56) v1(64.64,75.3) v1(64.64,74.03) v1(64.64,72.75) v1(64.64,71.48) v1(64.64,44.31) v1(64.64,43.05) v1(64.64,41.78) v1(64.64,39.23) v1(64.64,37.97) v1(64.64,36.7) v1(64.64,35.42) v1(64.64,34.16) v1(64.64,26.53) v1(64.64,25.27) v1(64.64,24) v1(64.64,22.73) v1(64.64,21.45) v1(64.64,20.19) v1(66.29,96.25) v1(66.29,94.98) v1(66.29,93.08) v1(66.29,44.95) v1(66.29,43.68) v1(66.29,41.78) v1(67.3,97.52) v1(67.3,46.22) v1(67.81,94.22) v1(67.81,91.17) v1(67.81,88) v1(67.81,42.92) v1(67.81,39.87) v1(67.81,36.7) v1(67.94,95.62) v1(67.94,44.31) v1(68.7,98.28) v1(68.7,96.25) v1(68.7,94.98) v1(68.7,46.98) v1(68.7,44.95) v1(68.7,43.68) v1(69.08,87.11) v1(69.08,82.91) v1(69.08,81.01) v1(69.08,79.11) v1(69.08,74.66) v1(69.08,35.81) v1(69.08,31.62) v1(69.08,29.71) v1(69.08,27.81) v1(69.08,23.36) v1(69.59,107.05) v1(69.59,105.27) v1(69.59,103.49) v1(69.59,101.71) v1(69.59,55.75) v1(69.59,53.97) v1(69.59,52.19) v1(69.59,50.41) v1(69.97,96.25) v1(69.97,94.98) v1(69.97,44.95) v1(69.97,43.68) v1(70.35,91.17) v1(70.35,72.12) v1(70.35,70.22) v1(70.35,68.44) v1(70.35,39.87) v1(70.35,20.82) v1(70.35,18.92) v1(70.35,17.14) v1(70.99,99.55) v1(70.99,96.25) v1(70.99,94.98) v1(70.99,48.25) v1(70.99,44.95) v1(70.99,43.68) v1(71.62,87.11) v1(71.62,67.55) v1(71.62,35.81) v1(71.62,16.25) v1(72.51,75.68) v1(72.51,24.38) v1(72.64,83.8) v1(72.64,63.48) v1(72.64,32.5) v1(72.64,12.18) v1(72.71,89.82) v1(72.71,38.52) v1(72.89,100.06) v1(72.89,94.98) v1(72.89,72.63) v1(72.89,66.66) v1(72.89,48.76) v1(72.89,43.68) v1(72.89,21.33) v1(72.89,15.36) v1(74.16,87.74) v1(74.16,36.44) v1(74.29,101.33) v1(74.29,50.03) v1(74.54,73.52) v1(74.54,65.64) v1(74.54,22.22) v1(74.54,14.34) v1(75.43,91.17) v1(75.43,39.87) v1(75.68,73.52) v1(75.68,65.64) v1(75.68,22.22) v1(75.68,14.34) v1(76.7,65.64) v1(76.7,14.34) v1(77.08,101.33) v1(77.08,50.03) v1(89.65,100.31) v1(89.65,88.63) v1(89.65,49.01) v1(89.65,37.33) v1(90.41,62.47) v1(90.41,11.17) v1(91.04,75.55) v1(91.04,24.25) v1(91.42,103.62) v1(91.42,52.32) v1(93.08,72.12) v1(93.08,65.77) v1(93.08,20.82) v1(93.08,14.47) v1(94.09,60.69) v1(94.09,9.39) v1(94.98,70.85) v1(94.98,67.04) v1(94.98,19.55) v1(94.98,15.74) v1(95.36,75.8) v1(95.36,24.5) v1(96.89,70.85) v1(96.89,67.04) v1(96.89,19.55) v1(96.89,15.74) v1(97.01,82.03) v1(97.01,30.73) v1(97.52,107.68) v1(97.52,56.38) v1(98.41,97.14) v1(98.41,45.84) v1(98.54,82.03) v1(98.54,30.73) v1(99.3,88.63) v1(99.3,37.33) v1(100.06,82.03) v1(100.06,30.73) v1(100.69,101.97) v1(100.69,70.22) v1(100.69,67.68) v1(100.69,50.67) v1(100.69,18.92) v1(100.69,16.38) v1(101.97,70.22) v1(101.97,67.68) v1(101.97,18.92) v1(101.97,16.38) v1(102.6,92.19) v1(102.6,90.92) v1(102.6,89.39) v1(102.6,40.89) v1(102.6,39.62) v1(102.6,38.09) v1(102.73,80.76) v1(102.73,29.46) v1(103.24,70.22) v1(103.24,67.68) v1(103.24,18.92) v1(103.24,16.38) v1(104.5,75.04) v1(104.5,72.12) v1(104.5,70.22) v1(104.5,67.68) v1(104.5,23.74) v1(104.5,20.82) v1(104.5,18.92) v1(104.5,16.38) v1(105.78,76.56) v1(105.78,67.68) v1(105.78,25.27) v1(105.78,16.38) v1(107.05,76.56) v1(107.05,74.03) v1(107.05,72.12) v1(107.05,70.22) v1(107.05,68.94) v1(107.05,25.27) v1(107.05,22.73) v1(107.05,20.82) v1(107.05,18.92) v1(107.05,17.64) v1(108.95,101.33) v1(108.95,50.03) v1(109.59,96.89) v1(109.59,95.62) v1(109.59,89.27) v1(109.59,88) v1(109.59,76.56) v1(109.59,74.03) v1(109.59,45.59) v1(109.59,44.31) v1(109.59,37.97) v1(109.59,36.7) v1(109.59,25.27) v1(109.59,22.73) v1(110.86,88) v1(110.86,76.56) v1(110.86,74.03) v1(110.86,36.7) v1(110.86,25.27) v1(110.86,22.73) v1(112.12,96.89) v1(112.12,45.59) v1(113.4,96.89) v1(113.4,95.62) v1(113.4,70.22) v1(113.4,45.59) v1(113.4,44.31) v1(113.4,18.92) v1(114.03,91.17) v1(114.03,39.87) v1(114.66,96.89) v1(114.66,95.62) v1(114.66,45.59) v1(114.66,44.31) v1(115.3,105.9) v1(115.3,104.89) v1(115.3,75.93) v1(115.3,54.6) v1(115.3,53.59) v1(115.3,24.63) v1(115.94,96.89) v1(115.94,95.62) v1(115.94,70.22) v1(115.94,45.59) v1(115.94,44.31) v1(115.94,18.92) v1(117.21,96.89) v1(117.21,95.62) v1(117.21,45.59) v1(117.21,44.31) v1(117.97,105.9) v1(117.97,105.14) v1(117.97,54.6) v1(117.97,53.84) v1(118.47,96.89) v1(118.47,95.62) v1(118.47,45.59) v1(118.47,44.31) v1(119.75,96.89) v1(119.75,95.62) v1(119.75,70.22) v1(119.75,45.59) v1(119.75,44.31) v1(119.75,18.92) v1(120.38,104.89) v1(120.38,78.47) v1(120.38,53.59) v1(120.38,27.17) v1(122.92,102.73) v1(122.92,51.43) v1(124.83,95.62) v1(124.83,44.31) v1(126.09,95.62) v1(126.09,71.48) v1(126.09,70.22) v1(126.09,44.31) v1(126.09,20.19) v1(126.09,18.92) v1(127.37,96.89) v1(127.37,45.59) v1(128,91.17) v1(128,75.93) v1(128,39.87) v1(128,24.63) v1(129.91,96.89) v1(129.91,95.62) v1(129.91,70.22) v1(129.91,45.59) v1(129.91,44.31) v1(129.91,18.92) v1(131.81,79.74) v1(131.81,28.44) v1(132.44,96.89) v1(132.44,95.62) v1(132.44,70.22) v1(132.44,45.59) v1(132.44,44.31) v1(132.44,18.92) v1(134.99,96.89) v1(134.99,95.62) v1(134.99,94.34) v1(134.99,93.08) v1(134.99,91.81) v1(134.99,90.53) v1(134.99,89.27) v1(134.99,88) v1(134.99,86.72) v1(134.99,85.46) v1(134.99,45.59) v1(134.99,44.31) v1(134.99,43.05) v1(134.99,41.78) v1(134.99,40.5) v1(134.99,39.23) v1(134.99,37.97) v1(134.99,36.7) v1(134.99,35.42) v1(134.99,34.16) v1(136.25,95.62) v1(136.25,94.34) v1(136.25,93.08) v1(136.25,90.53) v1(136.25,89.27) v1(136.25,88) v1(136.25,86.72) v1(136.25,85.46) v1(136.25,77.84) v1(136.25,76.56) v1(136.25,75.3) v1(136.25,74.03) v1(136.25,72.75) v1(136.25,71.48) v1(136.25,44.31) v1(136.25,43.05) v1(136.25,41.78) v1(136.25,39.23) v1(136.25,37.97) v1(136.25,36.7) v1(136.25,35.42) v1(136.25,34.16) v1(136.25,26.53) v1(136.25,25.27) v1(136.25,24) v1(136.25,22.73) v1(136.25,21.45) v1(136.25,20.19) v1(137.91,96.25) v1(137.91,94.98) v1(137.91,93.08) v1(137.91,44.95) v1(137.91,43.68) v1(137.91,41.78) v1(138.92,97.52) v1(138.92,46.22) v1(139.43,94.22) v1(139.43,91.17) v1(139.43,88) v1(139.43,42.92) v1(139.43,39.87) v1(139.43,36.7) v1(139.56,95.62) v1(139.56,44.31) v1(140.32,98.28) v1(140.32,96.25) v1(140.32,94.98) v1(140.32,46.98) v1(140.32,44.95) v1(140.32,43.68) v1(140.7,87.11) v1(140.7,82.91) v1(140.7,81.01) v1(140.7,79.11) v1(140.7,74.66) v1(140.7,35.81) v1(140.7,31.62) v1(140.7,29.71) v1(140.7,27.81) v1(140.7,23.36) v1(141.21,107.05) v1(141.21,105.27) v1(141.21,103.49) v1(141.21,101.71) v1(141.21,55.75) v1(141.21,53.97) v1(141.21,52.19) v1(141.21,50.41) v1(141.59,96.25) v1(141.59,94.98) v1(141.59,44.95) v1(141.59,43.68) v1(141.97,91.17) v1(141.97,72.12) v1(141.97,70.22) v1(141.97,68.44) v1(141.97,39.87) v1(141.97,20.82) v1(141.97,18.92) v1(141.97,17.14) v1(142.61,99.55) v1(142.61,96.25) v1(142.61,94.98) v1(142.61,48.25) v1(142.61,44.95) v1(142.61,43.68) v1(143.24,87.11) v1(143.24,67.55) v1(143.24,35.81) v1(143.24,16.25) v1(144.13,75.68) v1(144.13,24.38) v1(144.33,89.82) v1(144.26,83.8) v1(144.26,63.48) v1(144.33,38.52) v1(144.26,32.5) v1(144.26,12.18) v1(144.51,100.06) v1(144.51,94.98) v1(144.51,72.63) v1(144.51,66.66) v1(144.51,48.76) v1(144.51,43.68) v1(144.51,21.33) v1(144.51,15.36) v1(145.78,87.74) v1(145.78,36.44) v1(145.91,101.33) v1(145.91,50.03) v1(146.16,73.52) v1(146.16,65.64) v1(146.16,22.22) v1(146.16,14.34) v1(147.05,91.17) v1(147.05,39.87) v1(147.3,73.52) v1(147.3,65.64) v1(147.3,22.22) v1(147.3,14.34) v1(148.32,65.64) v1(148.32,14.34) v1(148.7,101.33) v1(148.7,50.03)
